# Altium PCB Mataric.PcbDoc
Units mm, origin at the board's own origin, x right, y up, seen from the top; angles counter-clockwise.
Board outline 76.33 x 76.33 mm, 4 copper layers (1Top Layer, 2Mixed, 3Mixed, 4Bottom Layer), stack 0.95 mm thick; 59 components, 33 nets, 191 pads, 92 vias.
Unrouted connection lines stored in the file: 36.
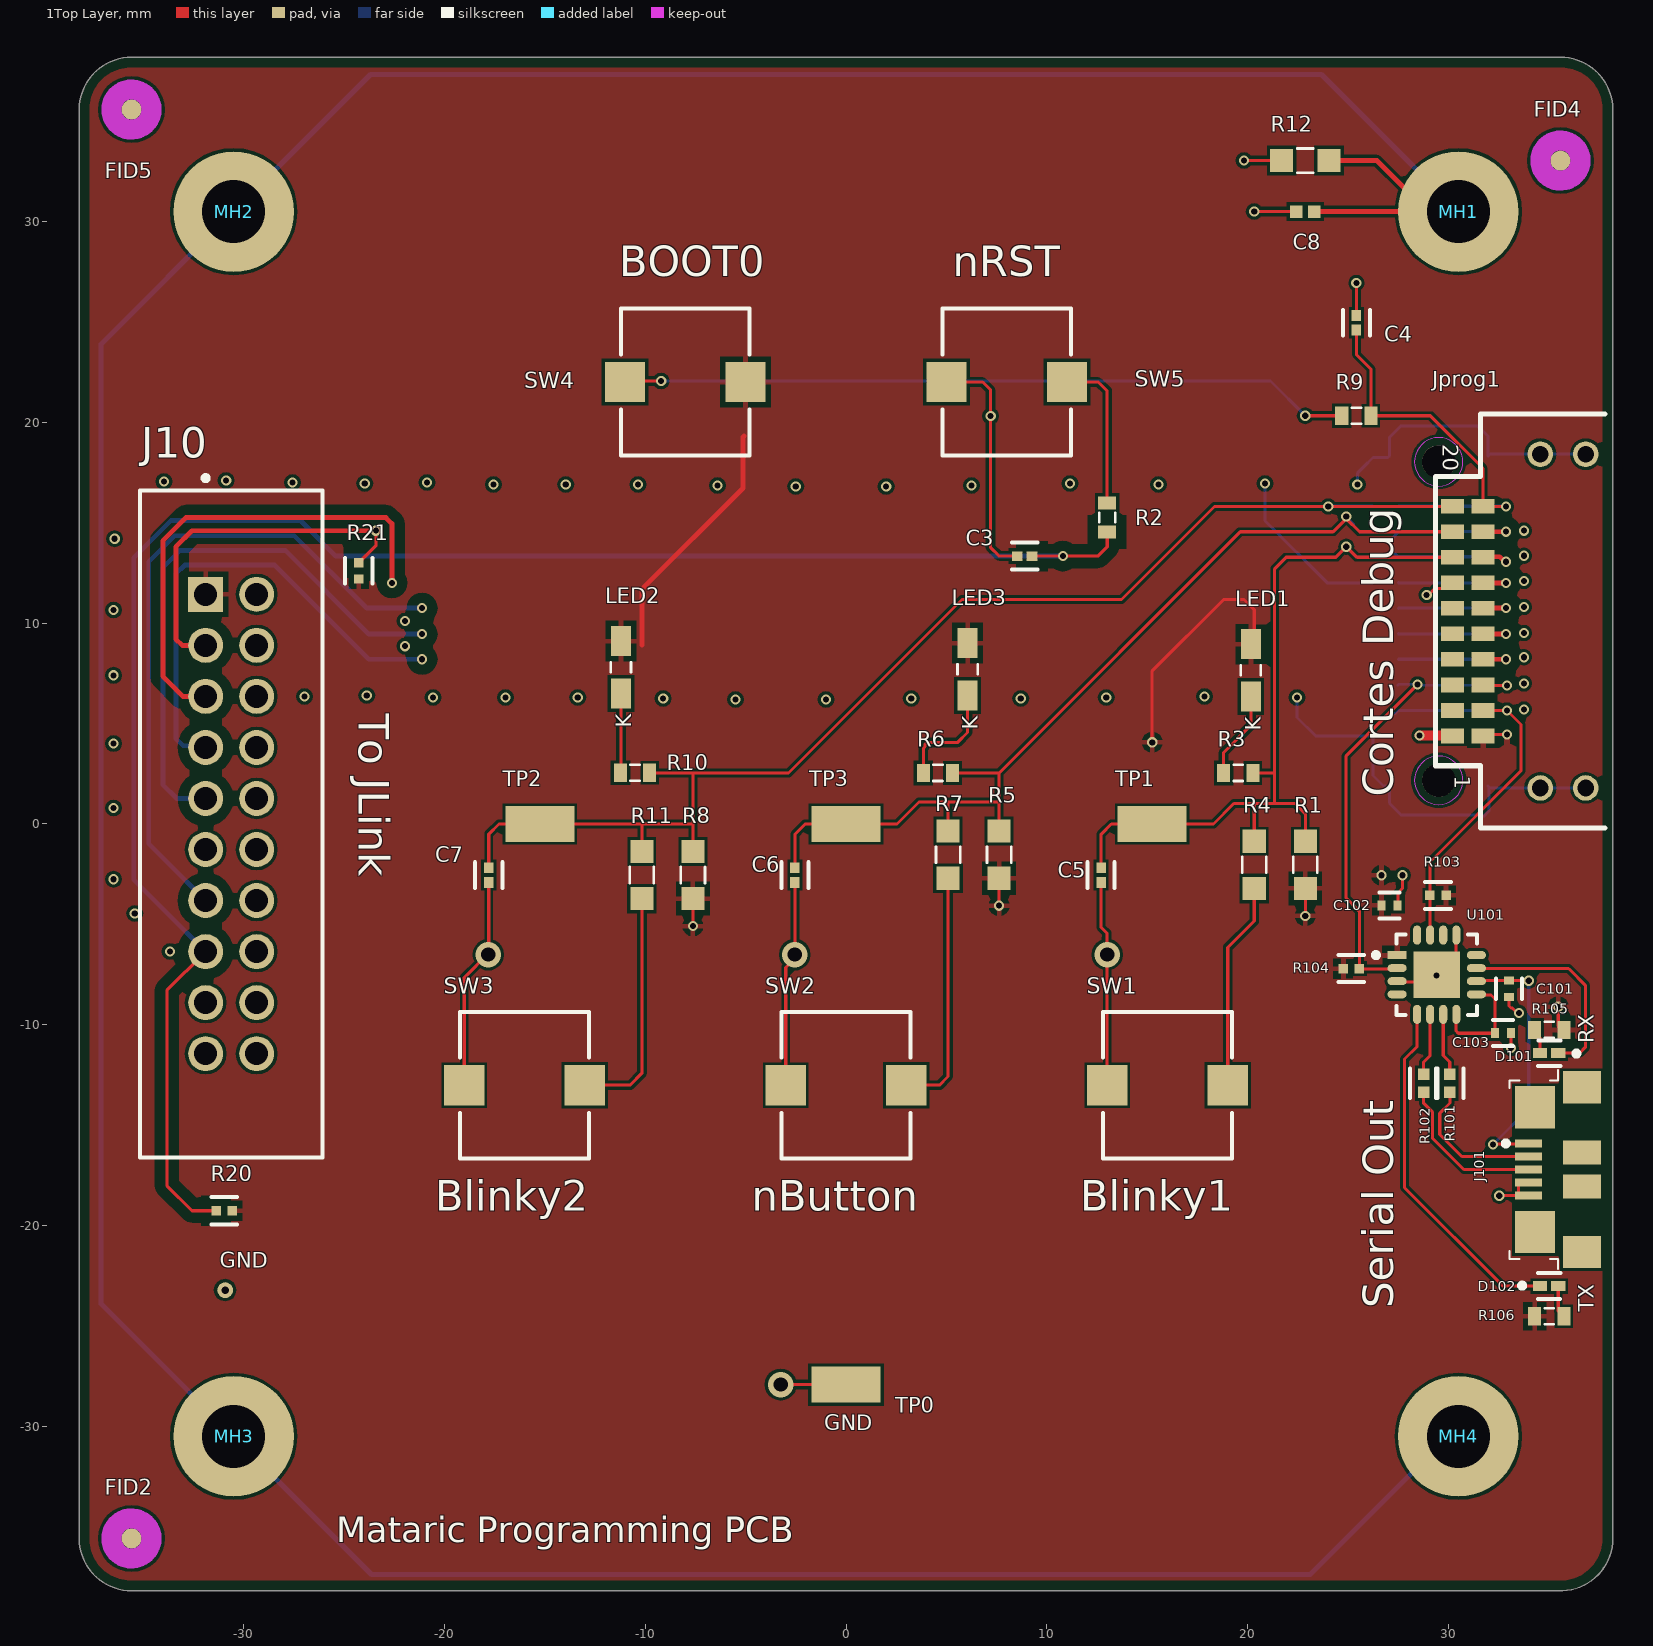
[diagram p0: 1Top Layer view]
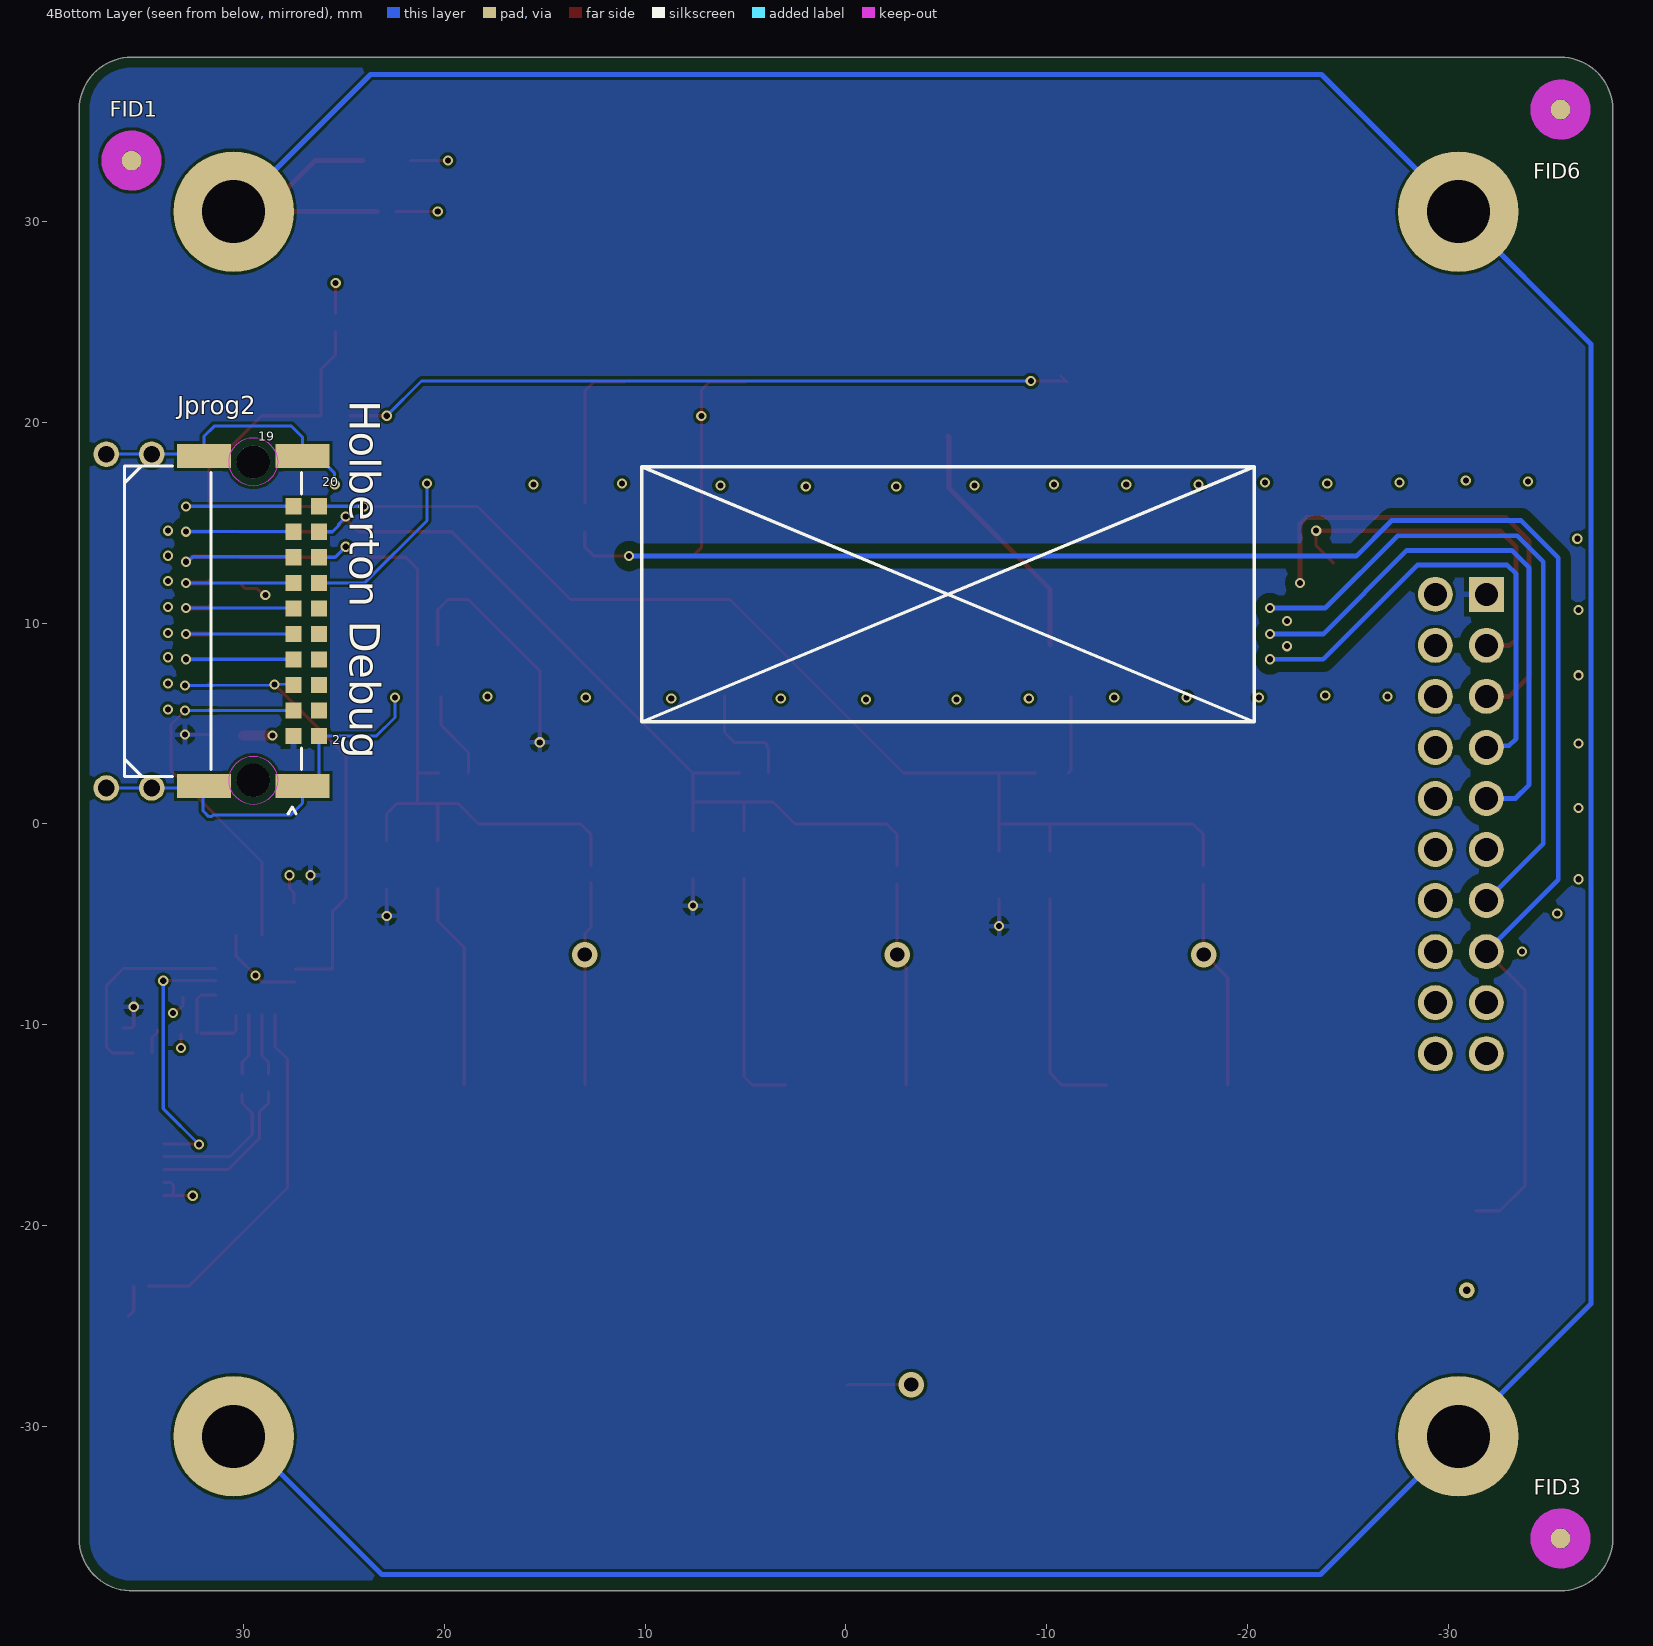
[diagram p1: 4Bottom Layer view, seen from below]
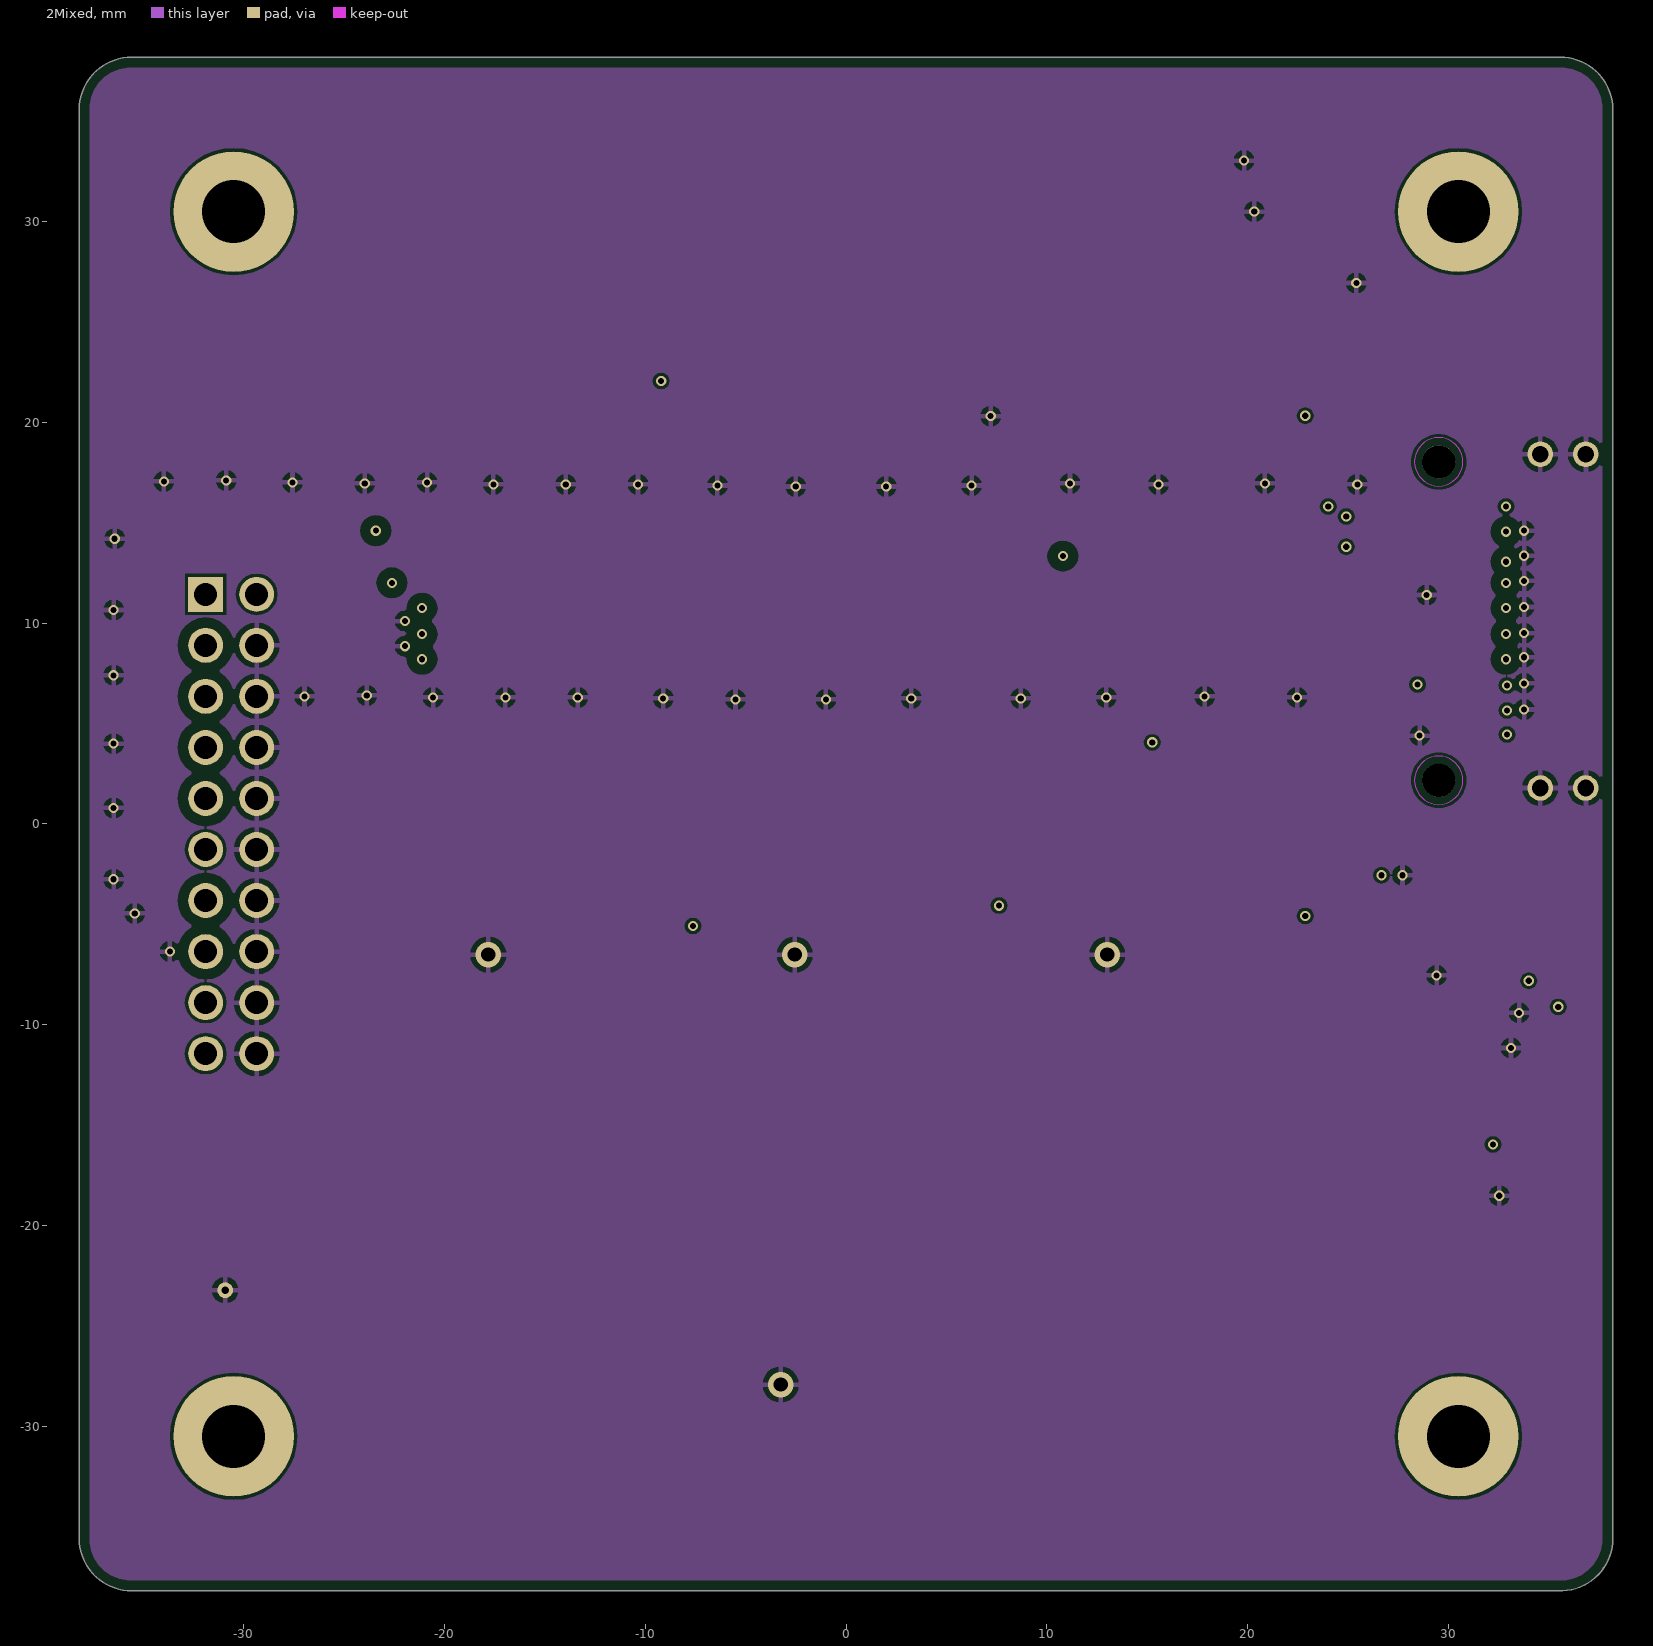
[diagram p2: 2Mixed]
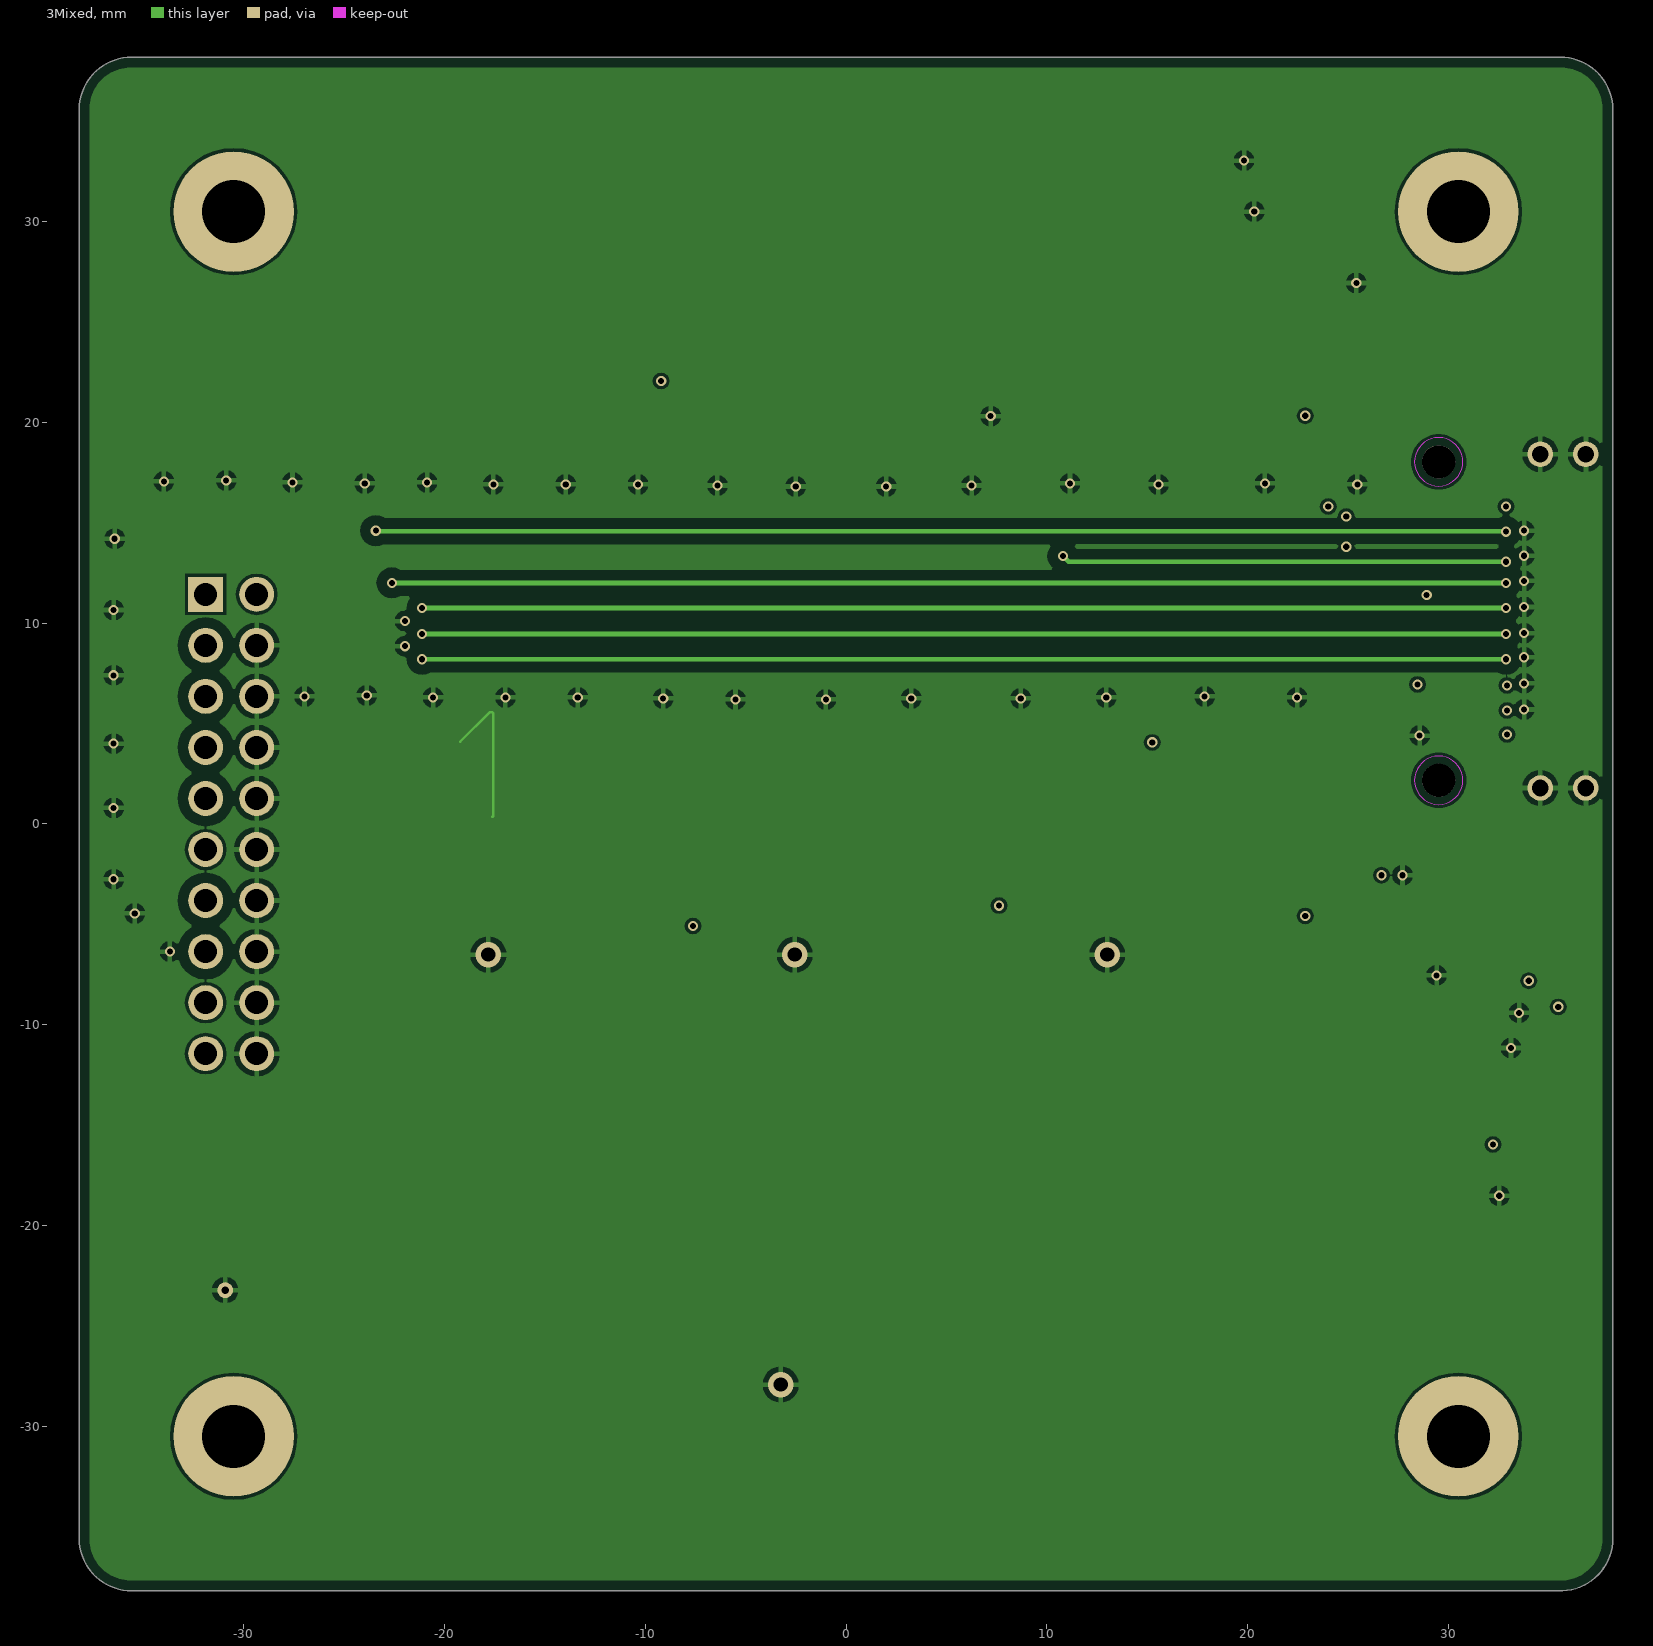
[diagram p3: 3Mixed]
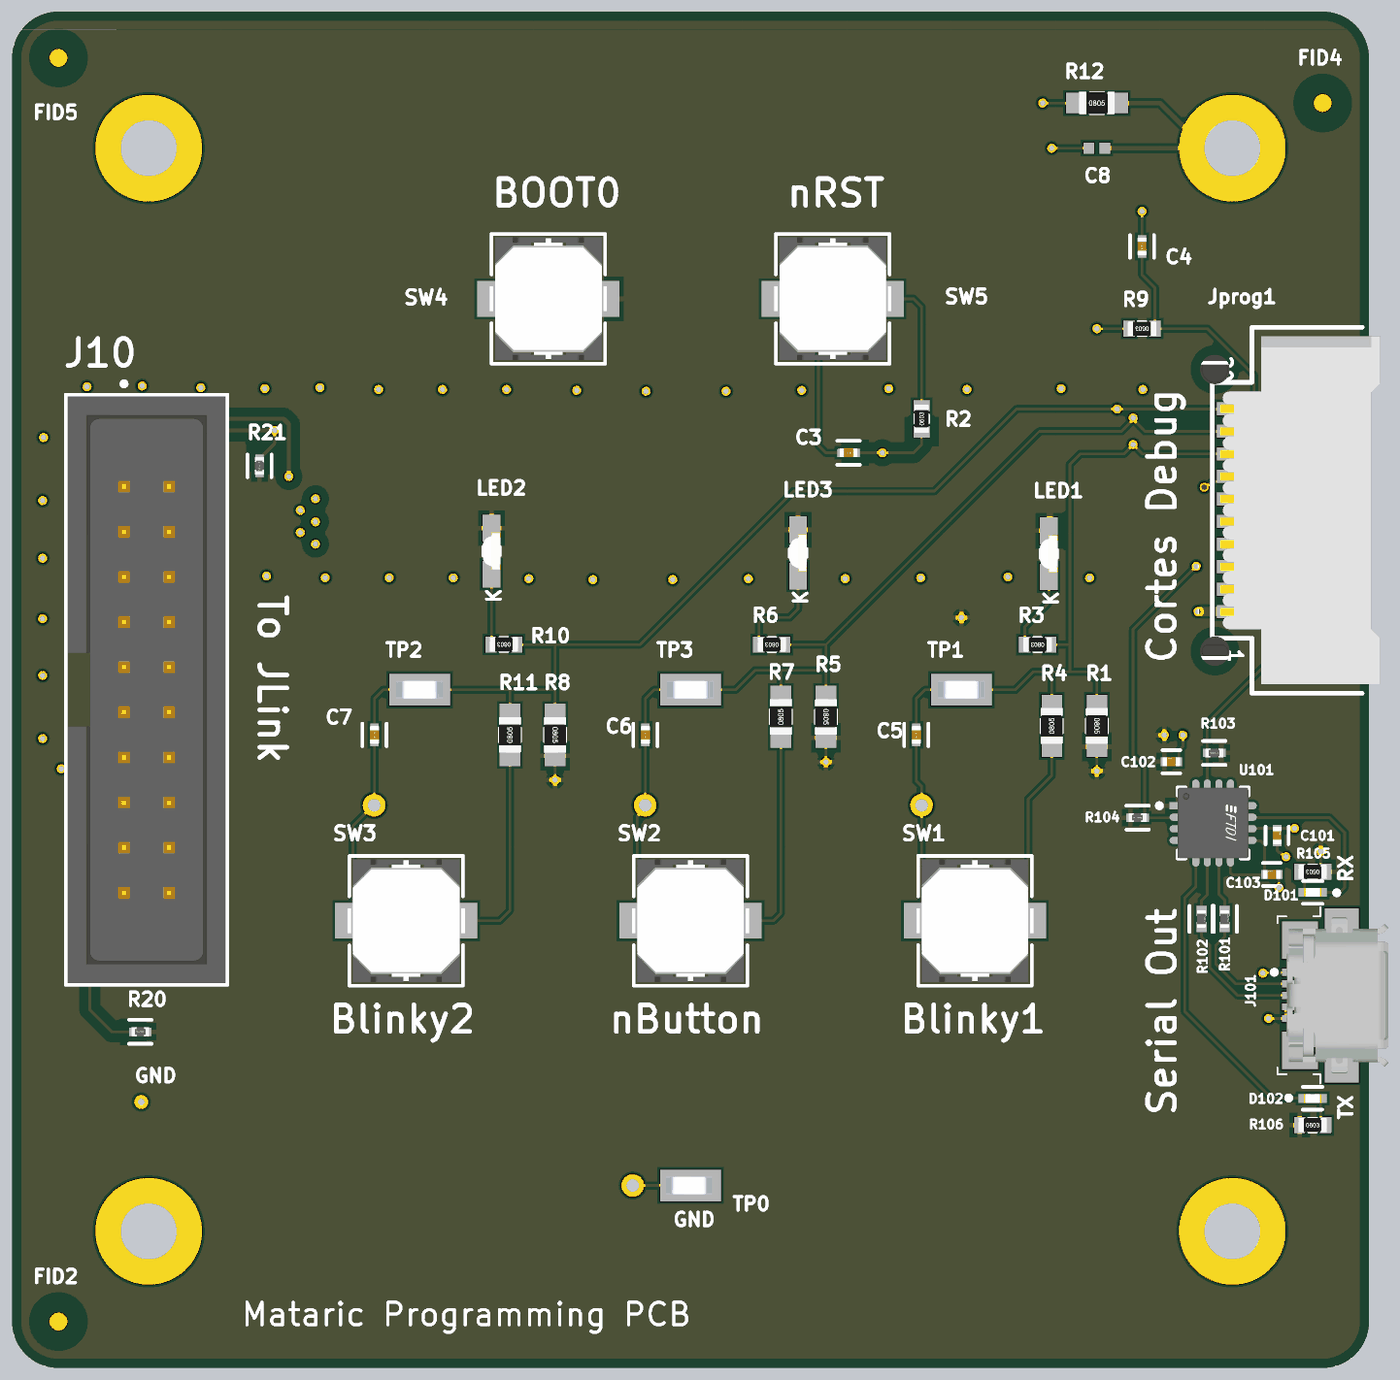
[diagram p4: 3D render of the assembled board from above, using the file's embedded part models]

## Layer stack, top to bottom
Top Solder: solder mask 0.0203, Solder Resist, Dk 3.5
1Top Layer: signal copper 0.0343
Prepreg1: prepreg 0.1196, 370HR, Dk 4.04
2Mixed: signal copper 0.0343
Core1: core 0.574, 370HR, Dk 4.04
3Mixed: signal copper 0.0343
Prepreg2: prepreg 0.1196, 370HR, Dk 4.04
4Bottom Layer: signal copper 0.0343
Bottom Solder: solder mask 0.0203, Solder Resist, Dk 3.5

## Board outline
-35.56,-38.164 cw(c-35.56,-35.56) -38.164,-35.56 -38.164,-35.55 -38.164,35.55 -38.164,35.56 cw(c-35.56,35.56) -35.56,38.164 -35.547,38.163 35.55,38.164 35.56,38.164 cw(c35.56,35.56) 38.164,35.56 38.164,35.55 38.164,-35.5 38.164,-35.56 cw(c35.56,-35.56) 35.667,-38.162 35.65,-38.164

## Design rules (kind name [scope] priority, off if disabled: settings)
AcuteAngle [All] p1: minimum=6.00000000000000E+0001 checktracksonly=FALSE
AssemblyTestPointUsage [All] p1: allowmultiple=TRUE
AssemblyTestpoint "AssemblyTestpoint - Gorilla" [All] p1: testpointundercomponent=FALSE minsize=0.559 maxsize=2.54 preferedsize=1.524 minholesize=0 maxholesize=1.016 preferedholesize=0.813 testpointgrid=0.127 usegrid=FALSE gridoriginx=12.778 gridoriginy=12.772 gridtolerance=0 allowsidetop=TRUE allowsidebottom=TRUE minspacing=0.127
AssemblyTestpoint "AssemblyTestpoint - Whizz" [All] p2 off: testpointundercomponent=FALSE minsize=0.66 maxsize=2.54 preferedsize=1.524 minholesize=0 maxholesize=1.016 preferedholesize=0.813 testpointgrid=0.127 usegrid=FALSE gridoriginx=12.778 gridoriginy=12.772 gridtolerance=0 allowsidetop=TRUE allowsidebottom=TRUE minspacing=0.127
BoardOutlineClearance [All] p1: gap=0.203 ignorepadtopadclearanceinfootprint=FALSE except(0.254: Text-OutlineEdge; 0.508: Arc-OutlineEdge Track-OutlineEdge SMDPad-OutlineEdge THPad-OutlineEdge Via-OutlineEdge Fill-OutlineEdge Poly-OutlineEdge Region-OutlineEdge)
Clearance Clearance31-100V_1 [WithinRoom('Small1') OR WithinRoom('Small2')] p1: gap=0.152 ignorepadtopadclearanceinfootprint=FALSE // Outside clearance per IPC-2221
Clearance Clearance31-100V [(InNetClass('Chassis')) vs NOT (InNetClass('Chassis'))] p2: gap=0.635 ignorepadtopadclearanceinfootprint=FALSE // Outside clearance per IPC-2221
Clearance Clearance_non_plated [(HoleDiameter > 0) And (PadIsPlated = 'False')] p3: gap=0.203 ignorepadtopadclearanceinfootprint=FALSE except(0: Arc-Hole Track-Hole SMDPad-Hole THPad-Hole Via-Hole Fill-Hole Poly-Hole Region-Hole Text-Hole)
Clearance Clearance100OhmDiff [(InDifferentialPairClass('All Differential Pairs')) vs (Not (InDifferentialPairClass('All Differential Pairs')))    And Not InNetClass('Power')] p4: gap=0.508 ignorepadtopadclearanceinfootprint=FALSE except(0: Arc-Hole Track-Hole SMDPad-Hole THPad-Hole Via-Hole Fill-Hole Poly-Hole Region-Hole Text-Hole)
Clearance Clearance50OhmSE [InNetClass('SE50Ohm')] p5: gap=0.508 ignorepadtopadclearanceinfootprint=FALSE except(0: Arc-Hole Track-Hole SMDPad-Hole THPad-Hole Via-Hole Fill-Hole Poly-Hole Region-Hole Text-Hole)
Clearance Clearance_Outerlayer [OnOutside] p6: gap=0.152 ignorepadtopadclearanceinfootprint=FALSE
Clearance Clearance_Innerlayer [OnMid] p7: gap=0.152 ignorepadtopadclearanceinfootprint=FALSE
DiffPairsRouting 100OhmDiffPairsRouting [InDifferentialPairClass('All Differential Pairs')] p1: maxlimit=0.191 minlimit=0.191 mostfreqgap=0.191 toplayer_minwidth=0.159 toplayer_maxwidth=0.159 toplayer_prefwidth=0.159 midlayer1_minwidth=0.159 midlayer1_maxwidth=0.159 midlayer1_prefwidth=0.159 midlayer2_minwidth=0.159 midlayer2_maxwidth=0.159 midlayer2_prefwidth=0.159 bottomlayer_minwidth=0.159 bottomlayer_maxwidth=0.159 bottomlayer_prefwidth=0.159 maxuncoupledlength=12.7
FabricationTestPointUsage [All] p1: valid=0 allowmultiple=TRUE
FabricationTestpoint [All] p1: side=3 testpointundercomponent=TRUE minsize=0.127 maxsize=2.54 preferedsize=1.524 minholesize=0 maxholesize=1.016 preferedholesize=0.813 testpointgrid=0.127 allowsidetop=TRUE allowsidebottom=TRUE usegrid=FALSE gridoriginx=12.778 gridoriginy=12.772 gridtolerance=0
FanoutControl Fanout_Small [(CompPinCount < 5)] p4: bgadir=Out bgaviamode=Centered fanoutstyle=Auto fanoutdirection=OutOnly viagrid=0.025 // Fanout_Small (Default Rule)
Height [All] p1: minheight=0 maxheight=76.2 prefheight=12.7
HoleSize [All] p1: absolutevalues=TRUE maxlimit=3.962 minlimit=0.203 maxpercent=80.000 minpercent=20.000
MatchedLengths [All] p1: tolerance=2.54 checknetsindiffpair=TRUE checkdiffpairvsdiffpair=FALSE checkxsignals=FALSE checkothers=FALSE
MinimumAnnularRing [All] p1: minimumring=0.089
MinimumSolderMaskSliver [All] p1: minsoldermaskwidth=0.076
PermittedLayers ThroughHole [IsDIP] p1: toplayerpermitted=TRUE bottomlayerpermitted=FALSE // Single sided through hole only
PermittedLayers [All] p2: toplayerpermitted=TRUE bottomlayerpermitted=TRUE
PlaneClearance [All] p1: clearance=0.203
PolygonConnect [All] p1: connectstyle=Relief reliefconductorwidth=0.254 reliefentries=4 polygonreliefangle="90 Angle" airgapwidth=0.254
RoutingLayers RoutingLayers100Diff [InDifferentialPairClass('All Differential Pairs')] p1: top layer_v5=TRUE mid layer 1_v5=FALSE mid layer 2_v5=FALSE bottom layer_v5=TRUE
RoutingLayers RoutingLayers50SE [InNetClass('SE50Ohm')] p2: top layer_v5=TRUE mid layer 1_v5=FALSE mid layer 2_v5=FALSE bottom layer_v5=TRUE
RoutingLayers [All] p3: top layer_v5=TRUE mid layer 1_v5=TRUE mid layer 2_v5=TRUE bottom layer_v5=TRUE
RoutingVias [All] p1: holewidth=0.305 width=0.508 viastyle="Through Hole" minholewidth=0.203 minwidth=0.406 maxholewidth=0.457 maxwidth=0.66
SMDEntry [All] p1: side=TRUE corner=TRUE anyangle=TRUE
SMDNeckDown "SMDNeckDown SolderBump" [HasFootprintPad('SolderBump','1')=True] p1: percent=200.000
SMDNeckDown [(HasFootprintPad('SolderBump','1')=False) and (IsPad=true)] p2: percent=75.000
SMDToCorner [All] p1: distance=100000
SilkToSilkClearance [All] p1: silktosilkclearance=0
SilkToSolderMaskClearance [IsPad] p1: minsilkscreentomaskgap=0.025 clearancetoexposedcopper=FALSE
SolderMaskExpansion [All] p1: expansion=0.076 istentingtop=FALSE
ViasUnderSMD [All] p1: allowed=FALSE
Width Width100OhmDiff [(InDifferentialPairClass('All Differential Pairs'))] p1: maxlimit=25.4 minlimit=0.127 preferedwidth=0.159 midlayer1_prefwidth=0.13 midlayer2_prefwidth=0.13 minimp=50.000000 maximp=50.000000 favimp=50.000000
Width Width50Ohm [InNetClass('SE50ohm')] p2: maxlimit=0.254 minlimit=0.157 preferedwidth=0.239 minimp=50.000000 maximp=50.000000 favimp=50.000000
Width Width_Innerlayer [OnMid] p3: maxlimit=25.4 minlimit=0.102 preferedwidth=0.127
Width Width__Outerlayer [OnOutside] p4: maxlimit=25.4 minlimit=0.127 preferedwidth=0.152
17 further rules are at their usual default settings.

## Classes and differential pairs
net class SE50Ohm: C_JTRST C_nRST C_TCK-SWCLK C_TDI C_TDO-SWO C_TMS-SWDIO
